# KiCad board weisse_cpu.kicad_pcb (continued)
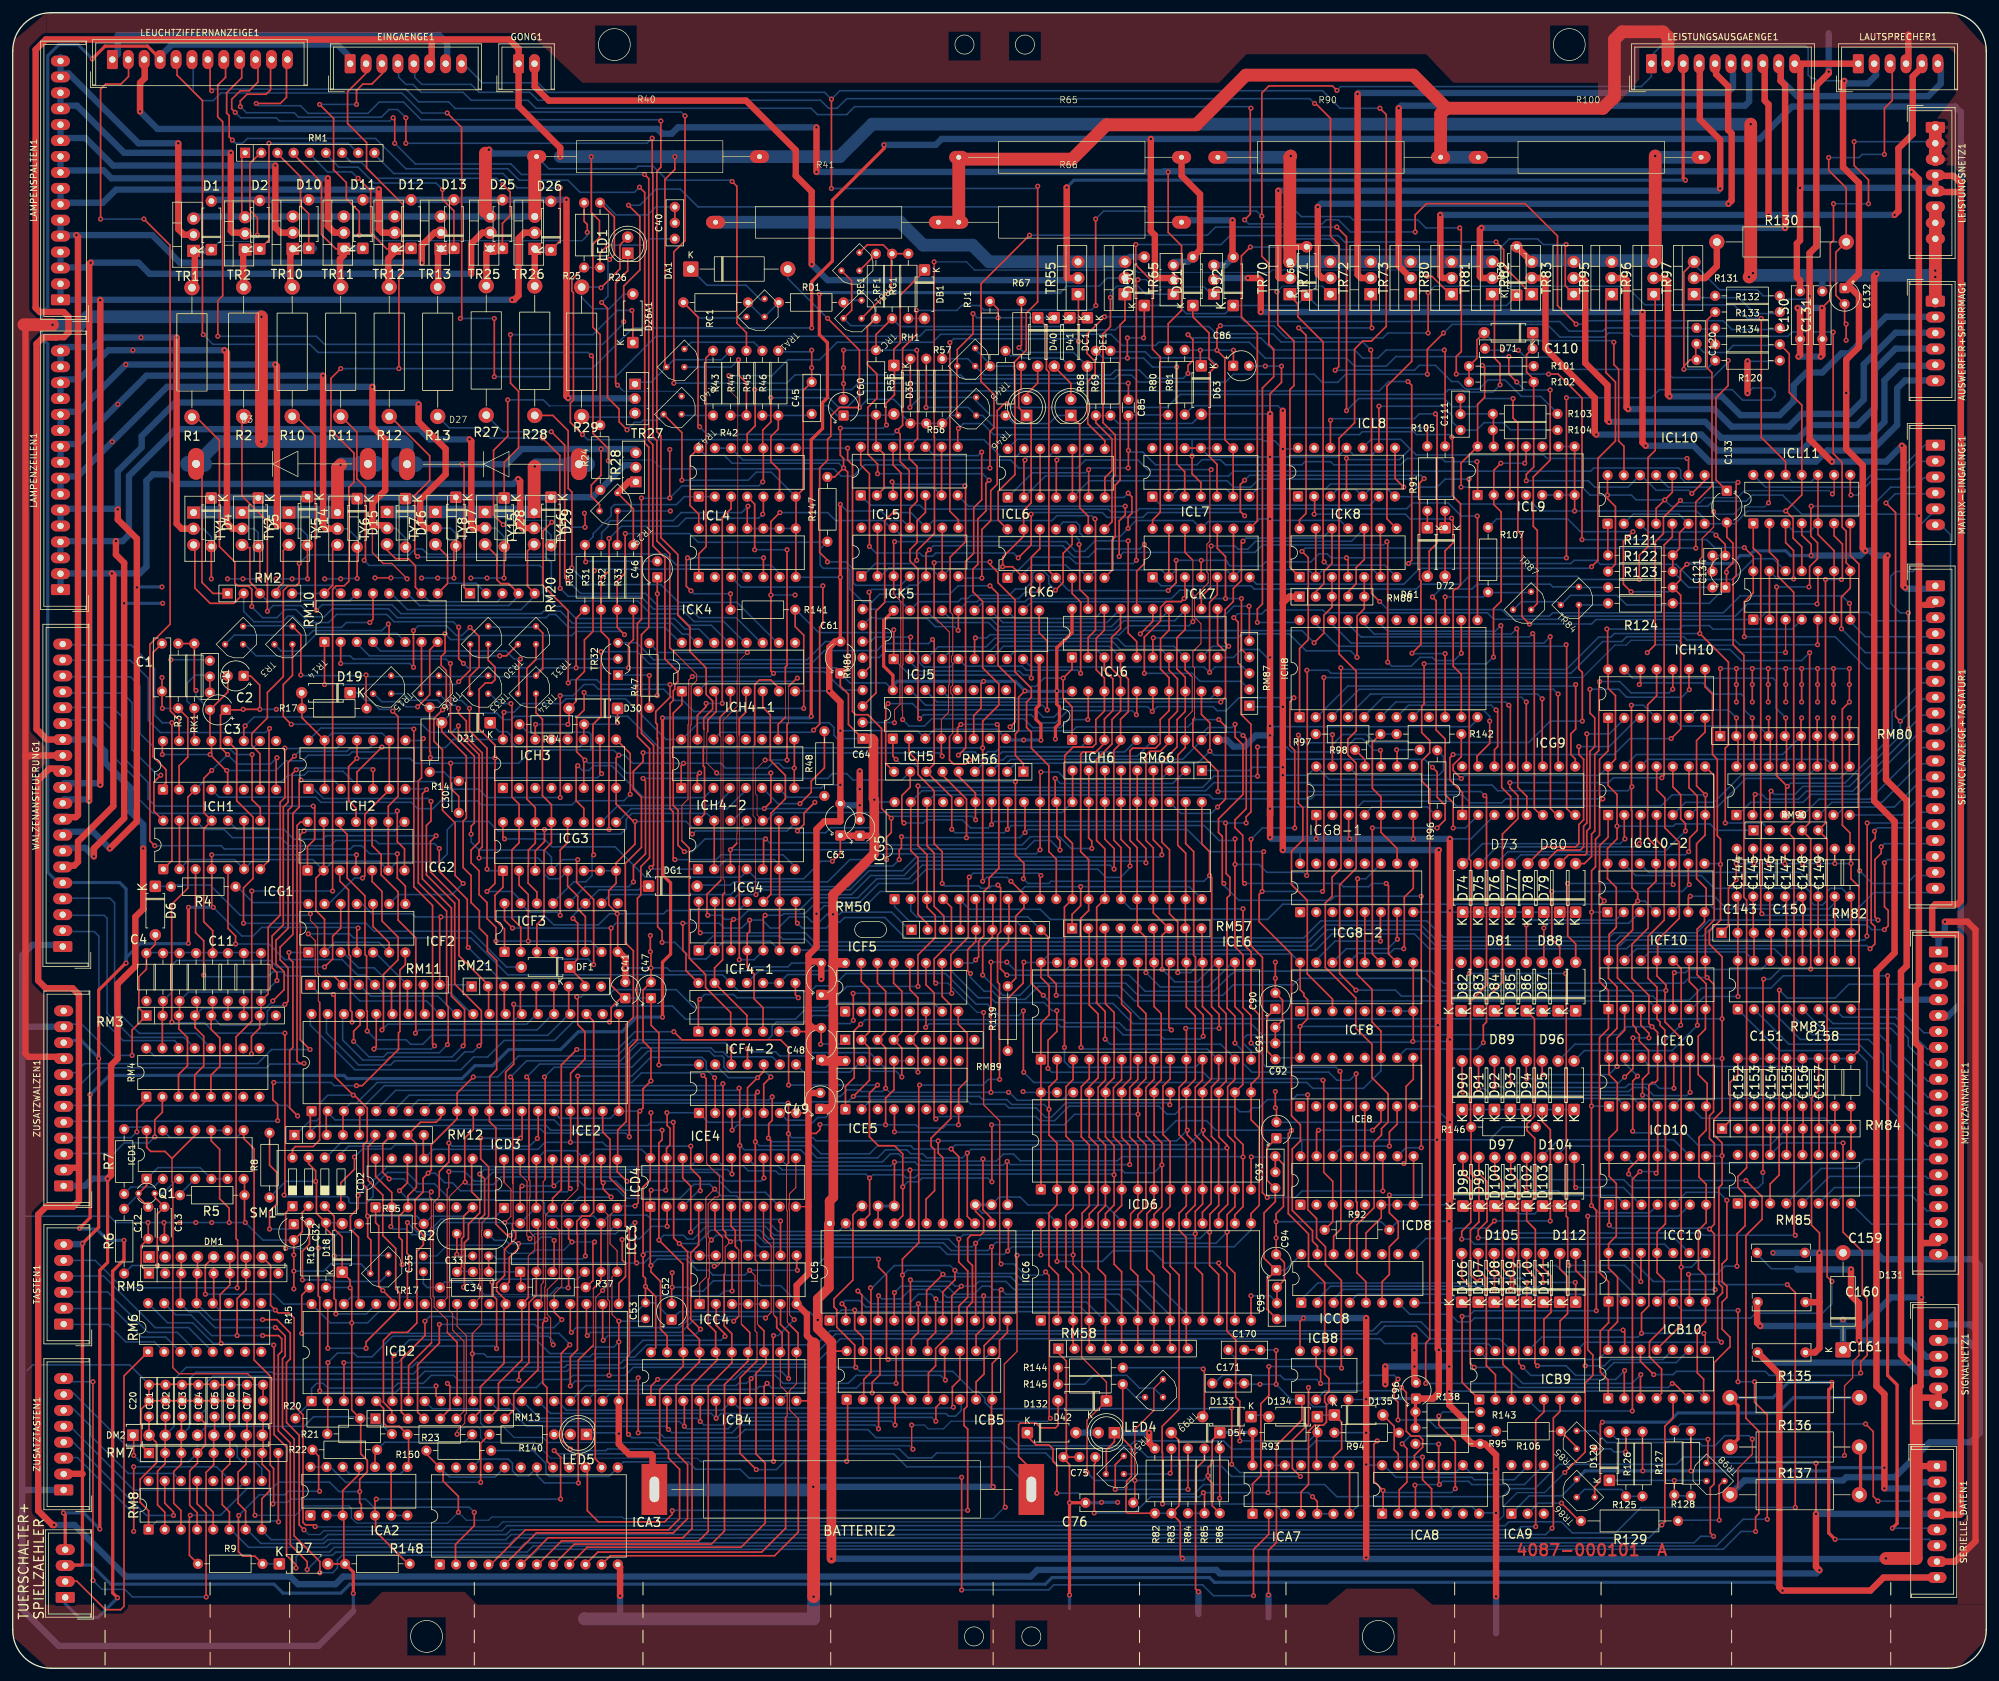
[diagram p0: board, top side]
## Routing (per net, layer and track width the routed paths; a pad name or vN(x,y) marks a point on that pad's centre or on a via; arc(x,y) is an arc through that point) (continued)
  Bottom w0.25: 169.1,70.25 167.55,68.7 157.41,68.7 157.31,68.6 132,68.6 130.85,69.75 129.7,68.6 120.2,68.6 118.8,70 108,70 v1(106.5,68.5)
BUS_A9: length 120.8
  Top w0.25: 171.64,116.04 171.64,104.36 173,103 173,92.75 171.64,91.39 171.64,83.46 173,82.1 v1(173,77.5) 173,72.75 171.64,71.39 171.64,69.74 ; 133.28,69.94 134.6,71.26 v1(134.6,77)
  Bottom w0.25: ICD4.16 111.54,78.89 114.76,78.89 115.52,78.13 119.82,78.13 120.35,77.6 134,77.6 v1(134.6,77) 135.1,77.5 139.85,77.5 140.3,77.05 141.7,77.05 142.27,77.62 172.88,77.62 v1(173,77.5)
BUS_A10: length 122.8
  Top w0.25: 179.26,70.25 179.26,71.26 180.5,72.5 180.5,82.5 179.28,83.72 ICD6.21 179.28,91.28 180.4,92.41 180.4,98.4 180.4,98.4 180.4,102.8 179.28,103.92 ICE6.21 ; ICC5.19 141.01,78.17 v1(140.92,78.25) ; 179.26,110.74 179.26,116.04
  Bottom w0.25: ICD4.14 116.62,78.89 120.22,78.89 120.86,78.25 v1(140.92,78.25) 174.25,78.25 174.7,77.8 179.25,77.8 v1(180.5,79.05)
BUS_A11: length 108.9
  Top w0.25: v1(175.45,79.1) 175.45,82.1 174.18,83.37 174.18,91.18 175.6,92.59 175.6,102.91 174.18,104.32 174.18,116.04 ; v1(138.5,79.5) 138.5,72.67 ; v1(156.2,79.6) 156.2,72.6
  Bottom w0.25: v1(175.45,79.1) 156.7,79.1 v1(156.2,79.6) 155.62,79.01 142.19,79.01 141.71,79.5 v1(138.5,79.5) 137.89,78.89 121.7,78.89 ICD4.12
BUS_A12: length 122.1
  Top w0.25: ICF5.15 133.29,107.86 134.57,106.57 134.57,99.97 RM89.2 134.57,97.43 134.57,92.35 v1(132.03,89.81) ; 164.25,55 164.25,61.75 162.77,63.23 162.77,71.52 164.02,72.77 164.02,82.48 162.77,83.73 v1(162.77,87.78) 162.77,91.27 164.02,92.52 164.02,95.5 ; 113,87.08 v1(113,84.5)
  Bottom w0.25: v1(162.77,87.78) 162.01,88.54 156.93,88.54 156.16,89.3 152.35,89.3 151.85,89.81 v1(132.03,89.81) 131.27,89.05 129.49,89.05 128.99,88.54 128.99,87.78 127.72,86.51 126.45,86.51 125.24,85.3 113.8,85.3 v1(113,84.5)
BUS_A13: length 106.5
  Top w0.25: ICF5.14 135.83,107.6 137.11,106.32 137.11,99.97 RM89.3 137.11,97.43 v1(137.11,91.08) ; v1(153.65,90.45) v1(153.65,110.9)
  Bottom w0.25: v1(153.65,110.9) v1(156.15,110.9) 157.45,109.6 165.34,109.6 ICE6.26 ; ICE4.6 121.62,86.07 124.74,86.07 125.18,86.51 125.18,88.54 125.61,88.97 128.15,88.97 128.99,89.81 130,89.81 131.02,90.83 133.05,90.83 133.3,90.57 136.61,90.57 v1(137.11,91.08) 137.74,90.45 v1(156.42,90.45) 156.55,90.45 157.8,89.2 164.82,89.2 166.06,90.44
BUS_A14: length 38.4
  Top w0.25: v1(139.65,92.86) 139.65,97.43 RM89.4 139.65,99.97 139.65,106.32 138.37,107.6 ICF5.13
  Bottom w0.25: ICE4.8 124.24,93.62 131.56,93.62 ICE5.15 134.99,93.75 138.76,93.75 v1(139.65,92.86)
BUS_A15: length 50
  Top w0.25: ICE4.11 115.42,97.28 v1(115.4,97.3) ; v1(142.19,93.62) 142.19,97.43 RM89.5 142.19,99.97 142.19,105.3 140.91,106.59 ICF5.12
  Bottom w0.25: v1(142.19,93.62) 141.56,94.25 137.02,94.25 ICE5.14 134.6,96.68 125.44,96.68 124.92,96.16 120.48,96.16 119.84,96.79 115.91,96.79 v1(115.4,97.3)
BUS_ALE: length 220.7
  Top w0.15: 91.5,50.04 91.59,50.12 91.59,58.25 v1(92.66,59.33) ; v1(110.19,63.14) 110.64,63.14 111.52,64.02 111.52,67.66 111.46,67.71 ; v1(81.23,67.46) 80.75,67.94 80.75,68.75 80.79,68.79 80.79,76.46 79.71,77.54
  Top w0.25: 92.5,31.9 91.5,32.9 91.5,50.04 ; v1(61.17,63.39) 61.17,67.2 60.66,67.71 60.66,70.98 ICD2.3 62.08,74.21 63.41,75.54 63.41,82.38 RM12.8 64.03,85.75 66.5,85.75 67.26,86.51 ICE2.9 ; v1(136,64.25) 136,63 137.25,61.75 137.25,48.75 v1(137.5,48.5) ; v1(98,63.65) 97.74,63.9 v1(97.74,70) ; ICD4.5 110.31,68.86 111.46,67.71 ; ICD3.15 79.71,77.54
  Bottom w0.25: 93.68,63.65 v1(98,63.65) 99.14,63.65 100.28,64.79 106,64.79 107.14,63.65 109.68,63.65 v1(110.19,63.14) 110.7,63.65 126.7,63.65 127.59,64.54 135.71,64.54 v1(136,64.25) ; 93.68,63.65 93.68,60.35 v1(92.66,59.33) ; 93.68,63.65 61.42,63.65 v1(61.17,63.39) ; v1(81.23,67.46) 82,68.22 94.7,68.22 95.2,68.73 96.22,68.73 97.49,70 v1(97.74,70) ; ICB5.11 152.44,48.4 137.6,48.4 v1(137.5,48.5)
BUS_CLK: length 255.4
  Top w0.25: v1(108,75) 108,77.01 106.5,78.51 v1(106.5,82) ; v1(195.53,140.1) v1(195.53,144.67) ; ICG8-1.10 214.92,144.08 v1(214.84,144.17) ; v1(142.19,107.08) 142.19,112.03 144.92,114.76 144.92,118.2 143.6,119.52 ICG5.3 143.6,127.77 142.19,129.18 v1(142.19,138.58) ; v1(87.6,82.6) 87.63,82.63 87.63,87.45 ; 64.5,83.68 64.5,80.14 ; v1(88.6,105.43) 88.76,105.43 88.75,105.42 88.75,101.09 89.87,99.97 89.87,95.67 87.63,93.43 87.63,87.55
  Bottom w0.25: v1(195.53,140.1) 188.68,140.1 186.9,138.32 142.45,138.32 v1(142.19,138.58) ; v1(195.53,144.67) 200.11,144.67 200.87,143.91 208.75,143.91 210.84,146 212,146 213.83,144.17 v1(214.84,144.17) ; v1(142.19,107.08) 131.02,107.08 127.72,103.78 107.01,103.78 104.22,106.57 94.44,106.57 93.68,105.81 89.62,105.81 89.24,105.43 v1(88.6,105.43) ; v1(108,75) 107.73,75 ICD4.3 ; v1(106.5,82) 93.25,82 92.65,82.6 v1(87.6,82.6) 83.6,82.6 82.5,81.5 66.1,81.5 ICD2.11
BUS_EN: length 157
  Top w0.15: v1(115.75,62.5) 116.6,61.65 116.6,53.02 116.9,52.71 116.9,48.26
  Top w0.25: v1(116.8,31.2) 114.25,33.75 114.25,45.61 116.9,48.26 ; ICB4.19 102.79,52.21 101.75,53.25 101.75,60.75 100.25,62.25 v1(100.25,63.25) 100.15,63.35 ICD4.1 100.15,74.94 v1(100.28,75.08) ; v1(131,32.5) 131.14,32.64 131.14,42.06 ; v1(123.25,62.5) 123.14,62.61 ICC4.8 ; ICE4.4 115.42,91.17 v1(117,92.75) 117.96,93.71 ICE4.10 ; v1(102.75,87.25) 102.79,87.21 102.79,85.25 103.25,84.79 103.25,82.21 102.69,81.65 ICD4.19 102.69,75.2 v1(102.57,75.08)
  Bottom w0.25: v1(100.25,63.25) 101.25,64.25 105.75,64.25 107.5,62.5 109.25,62.5 110,61.75 115,61.75 v1(115.75,62.5) v1(123.25,62.5) ; v1(116.8,31.2) 119.95,31.2 121.25,32.5 v1(131,32.5) ; v1(102.57,75.08) v1(100.28,75.08) ; ICE4.1 109.25,85.75 113.97,85.75 ICE4.4 ; ICE4.13 112.41,92.75 v1(117,92.75) ; 107.75,87.25 v1(102.75,87.25)
BUS_nRD: length 66.1
  Top w0.15: ICC4.1 107.9,60.4 108.98,61.48 108.98,67.53 108.88,67.62 108.88,73.88 v1(110.25,75.25)
  Top w0.25: ICD3.13 84.79,75.96 v1(85,75.75) ; v1(80,75.75) 79.71,75.46 ICD3.2
  Bottom w0.25: v1(80,75.75) v1(85,75.75) 85.75,76.5 89,76.5 90.25,75.25 94.91,75.25 96.35,73.81 104.81,73.81 107,76 109.5,76 v1(110.25,75.25) 111.31,74.19 113.7,74.19 ICD4.7
BUS_nWR: length 44.6
  Top w0.25: v1(94,74) 92.75,75.25 v1(92.75,76.25) 92.41,76.59 ICD3.10
  Bottom w0.25: ICD3.5 89.05,74 v1(94,74) ; v1(92.75,76.25) 93,76.5 94.75,76.5 96.17,75.08 98.58,75.08 100,76.5 111,76.5 112.75,74.75 118.22,74.75 ICD4.9
CLK: length 73.8
  Top w0.25: v1(54.25,74.25) 54.25,72.22 53.04,71.01 53.04,68.98 54.31,67.71 54.31,57.45
  Bottom w0.25: v1(54.25,74.25) 58.8,78.8 75.7,78.8 75.72,78.78 106.43,78.78 ICD4.17
CPU_RESET: length 52.5
  Top w0.25: SM1.7 46.49,79.22 47.58,78.13 v1(47.58,76.48) 47.71,76.35 47.71,71.45 R16.2 49.2,69.05 50.5,67.75 v1(50.5,64.75) 50.5,58.06 50.75,57.81 v1(50.75,55.65)
  Bottom w0.25: v1(50.5,64.75) 50.58,64.83 TR17.1 ; R8.1 42.88,76.48 v1(47.58,76.48) ; v1(50.75,55.65) 55.55,55.65 ICB2.36 ; R16.2 51.61,69.96
D0: length 417.1
  Top w0.25: 46.75,83.79 46.75,87.31 ; v1(148.6,67.4) 148.6,63.8 150,62.4 150,58.25 148.63,56.88 ICC5.9 ; 186.88,55.01 186.88,61.87 185.75,63 v1(185.75,68.25) 185.75,71.75 186.9,72.9 ICD6.11 ; 75.1,16.3 80.55,21.75 103,21.75 104.75,23.5 104.75,31.25 103,33 103,34.1 101.62,35.48 101.62,43.78 105.33,47.49 ICB4.18 ; v1(165.2,97.5) 165.2,119.54 ICG5.12 166.46,129.54 165.25,130.75 165.25,143.35 166.58,144.67 169.63,144.67 170.13,145.18 170.13,148.99 171.48,150.34 ICH6.18 171.48,155.52 170.2,156.8 170.2,161.76 171.47,163.03 ICJ6.18 ; 186.88,95.5 186.88,92.37 186.87,92.37 185.75,91.25 185.75,83.75 186.88,82.62 186.88,75 ; v1(102,84.5) 102,83 101.5,82.5 v1(101.5,67.25) 105.25,63.5 105.25,49.94
  Bottom w0.25: v1(185.75,68.25) 185.6,68.1 149.3,68.1 v1(148.6,67.4) 148,68 119.6,68 118.2,69.4 108.9,69.4 106.9,67.4 105.95,67.4 105.35,68 102.25,68 v1(101.5,67.25) ; ICJ5.13 157.41,164.87 169.97,164.87 ICJ6.18 ; 186.88,95.5 185.75,94.38 166.09,94.38 165.2,95.27 v1(165.2,97.5) ; v1(102,84.5) 84.51,84.5 83.77,85.24 47.71,85.24 46.79,84.32
D1: length 401.9
  Top w0.25: 151.25,54.89 v1(151.25,66.75) ; 49.25,83.83 49.25,87.27 ; 189.42,75 189.42,82.39 188.3,83.52 188.3,91.29 189.42,92.42 189.42,95.5 ; 189.42,55.01 189.42,61.83 188,63.25 v1(188,68.5) 188.04,68.54 188.04,71.29 189.44,72.69 ICD6.12 ; v1(167.8,97.5) 167.8,117.8 169,119 ICG5.13 169,127 167.75,128.25 167.75,143.56 168.1,143.91 170.13,143.91 171.48,145.26 ; v1(103.75,85.75) 103.81,85.69 103.81,67.58 v1(104.7,66.7) 106,65.4 106,53.5 107.87,51.63 ICB4.17 107.87,48.12 104.21,44.45 104.21,33.8 106,32 106,23.5 103.75,21.25 82.25,21.25 77.3,16.3 ; ICH6.3 171.48,149.08 172.8,150.4 172.8,155.4 171.47,156.73 ICJ6.3
  Bottom w0.25: 189.42,95.5 187.67,97.25 168.05,97.25 v1(167.8,97.5) ; v1(104.7,66.7) 107.55,66.7 109.65,68.8 117.4,68.8 118.8,67.4 147,67.4 148.2,66.2 150.7,66.2 152,67.5 186.5,67.5 187.5,68.5 v1(188,68.5) ; ICJ6.3 170.35,159.88 157.54,159.88 ICJ5.8 ; v1(103.75,85.75) 100.25,85.75 99.75,85.25 85.92,85.25 85.04,86.13 50.63,86.13 49.48,87.27
D2: length 420.8
  Top w0.15: 109.25,61.11 109.43,61.29 109.43,64.31 109.37,64.37 109.37,66.87 v1(109.75,67.25) 109.23,67.77 109.23,72.95 110.29,74 110.75,74 111,74.25 111,77.25 109,79.25 109,82.75 108.92,82.82
  Top w0.25: RM12.4 51.87,87.35 ; v1(171.6,98.8) 171.6,103.15 170.2,104.55 170.26,104.62 170.26,119.53 ICG5.14 171.54,128.71 170.25,130 170.25,142.76 172.67,145.18 172.67,148.99 174.02,150.34 ICH6.17 174.02,155.58 172.6,157 172.6,161.87 174.01,163.28 ICJ6.17 ; v1(108.41,93.11) 108.93,92.6 108.93,82.83 108.92,82.82 ; ICB4.16 110.41,52.84 109.25,54 109.25,61.11 ; 191.96,75 191.96,82.54 190.83,83.67 190.83,91.34 191.96,92.46 191.96,95.5 ; 153.8,54.9 153.8,66.15 v1(153.75,66.2) ; 79.9,16.3 84.1,20.5 105.25,20.5 106.71,21.95 106.71,44.45 110.66,48.41 110.66,49.37 ; ICD6.13 191.98,72.48 190.75,71.25 v1(190.75,68.5) 190.75,63.25 191.96,62.04 191.96,55.01
  Bottom w0.25: 191.96,95.79 189.75,98 172.4,98 v1(171.6,98.8) ; v1(108.41,93.11) 108.02,93.5 98.75,93.5 97.25,92 57.25,92 54,88.75 53.07,88.75 51.82,87.5 ; v1(109.75,67.25) 110.5,68 117,68 118.2,66.8 146.2,66.8 147.4,65.6 153.15,65.6 v1(153.75,66.2) 154.45,66.9 184.35,66.9 184.5,66.75 189,66.75 v1(190.75,68.5) ; ICJ5.14 155.51,164.23 171.87,164.23 ICJ6.17
D3: length 386.9
  Top w0.15: 111.75,61.87 111.91,62.02 111.91,66.15 v1(112.75,67)
  Top w0.25: ICJ6.4 174.01,156.59 175.25,155.35 175.25,150.25 174.02,149.02 ICH6.4 ; v1(111.55,91.8) 111.55,68.89 111.97,68.47 111.97,67.78 v1(112.75,67) ; 54.5,83.84 54.5,87.44 ; v1(193.25,119.27) 193.25,119.27 193.25,113.75 194.52,112.48 ICE6.15 194.52,103.91 195.79,102.64 195.79,92.99 194.52,91.72 ICD6.15 194.52,86.13 195.8,84.85 195.8,72.7 194.5,71.4 194.5,70.25 ; 174.02,145.22 172.95,144.16 172.95,130.04 174.08,128.92 ICG5.15 ; 111.75,61.87 111.75,53.75 112.95,52.55 ICB4.15 112.95,47.95 109.25,44.25 109.25,21.5 107.75,20 86.2,20 82.5,16.3 ; 156.4,69.68 156.4,65.65 v1(156.27,65.52)
  Bottom w0.25: v1(111.55,91.8) 111.25,91.5 58.36,91.5 54.36,87.5 ; ICJ5.7 155.62,160.5 172.26,160.5 ICJ6.4 ; ICG5.15 175.61,119.27 v1(193.25,119.27) ; v1(112.75,67) 112.95,67.2 116.4,67.2 117.4,66.2 145.6,66.2 146.8,65 155.75,65 v1(156.27,65.52) 156.95,66.2 191.86,66.2 194.5,68.84 194.5,69.74
D4: length 412.6
  Top w0.15: 114.5,54 114.44,54.06 114.44,66.94 114.5,67
  Top w0.25: 114.5,54 115.78,52.72 115.78,49.91 ; v1(178,109.25) 178,114.76 RM57.5 ; 85.01,16.3 88.22,19.5 109.75,19.5 111.8,21.55 111.8,44.55 115.49,48.24 ICB4.14 ; ICJ6.14 181.63,163.03 180.3,161.7 180.3,156.9 181.64,155.56 ICH6.14 181.64,150.39 180.25,149 180.25,145.25 179.5,144.5 175.9,144.5 175.5,144.09 175.5,132.75 175.5,132.75 175.5,130 176.62,128.88 ICG5.16 176.62,116.26 ; ICE6.16 191.98,103.91 193.2,102.69 193.2,91.66 ICD6.16 191.98,83.52 193.25,82.25 193.25,72.5 191.96,71.21 191.96,70.25 ; v1(114.1,91.1) 114.2,91 v1(114.2,82.1) 114.2,67.3 114.5,67 ; 153.6,69.94 153.6,70.8 152.4,72 v1(152.4,80)
  Bottom w0.25: v1(193.25,80.3) 193.2,80.35 174.2,80.35 173.55,79.7 158.25,79.7 157.2,80.75 155.6,80.75 155.6,80.74 154.51,79.65 152.75,79.65 v1(152.4,80) 152.05,79.65 142.83,79.65 142.32,80.16 139.78,80.16 139.15,80.79 137.88,80.79 136.61,79.52 125.68,79.52 123.78,81.43 114.89,81.43 114.22,82.1 v1(114.2,82.1) ; ICJ5.17 147.25,164.87 153.63,164.87 154.9,163.6 172.6,163.6 174,165 180.5,165 181.63,166.13 ; 56.9,87.5 60.15,90.75 113.75,90.75 v1(114.1,91.1) ; v1(178,109.25) 180.25,107 187.75,107 191.49,110.74
D5: length 393.3
  Top w0.15: 117.25,53.75 116.98,54.02 116.98,63.77 116.65,64.1
  Top w0.25: RM57.7 180.55,115.11 v1(180.55,109.75) ; 118,50.23 118,53 117.25,53.75 ; 87.52,16.3 90.22,19 114.4,19 118.2,22.8 118.2,32.2 116.75,33.65 116.75,46.33 118.32,47.9 118.32,49.33 ; v1(149.94,80.92) 149.94,70.98 150.92,70 ; 189.44,91.04 190.6,92.2 190.6,102.8 189.44,103.96 ICE6.17 ; 181.6,116.2 179.16,118.64 ICG5.17 179.16,128.84 178,130 178,143.4 178.6,144 180.25,144 181.64,145.39 ; v1(117,90.5) 116.65,90.15 v1(116.65,82.7) 116.65,64.1 ; ICJ6.7 181.63,156.72 182.95,155.4 182.95,150.3 181.64,148.99 ICH6.7 ; 189.42,70.25 189.42,71.42 190.86,72.86 190.86,81.6 v1(190.73,81.73) 190.73,82.18 189.44,83.46 ICD6.17
  Bottom w0.25: ICJ6.7 180.38,160 174,160 172.75,161.25 155,161.25 153.54,159.79 147.29,159.79 ICJ5.4 ; v1(180.55,109.75) 180.6,109.75 182.55,107.8 186.05,107.8 188.99,110.74 ; v1(116.65,82.7) 117.29,82.06 124.41,82.06 126.32,80.16 135.84,80.16 137.11,81.43 140.42,81.43 141.05,80.79 142.96,80.79 143.59,80.16 149.18,80.16 v1(149.94,80.92) 150.52,81.5 190.5,81.5 v1(190.73,81.73) ; v1(117,90.5) 116.5,90 62.25,90 59.75,87.5
D6: length 401.2
  Top w0.15: ICB4.12 120.57,44.38 121.64,43.3 121.64,39.64 121.4,39.4 ; 119.33,67.58 119.52,67.39 119.52,55.48 119.75,55.25
  Top w0.25: 121.4,39.4 121.4,22 117.65,18.25 91.91,18.25 ICA3.10 ; 119.75,55.25 120,55 120,53.5 120.86,52.64 120.86,49.91 ; v1(119.3,89.75) 119.3,86.05 118.75,85.5 118.75,83.3 v1(118.7,83.25) 119.06,82.89 119.06,67.86 119.33,67.58 ; ICD6.18 186.9,91.15 188.31,92.56 188.31,102.49 186.88,103.92 186.88,110.74 ; v1(183,109.25) 183,117.2 181.7,118.5 ICG5.18 181.7,128.55 180.5,129.75 180.5,142.3 182.9,144.7 182.9,149 184.18,150.28 ICH6.13 184.18,155.62 182.85,156.95 182.85,161.84 184.17,163.16 ICJ6.13 ; 186.8,116.12 186.8,110.94 ; 186.88,90.24 186.88,84.62 v1(187,84.5) 187,83.75 188.25,82.5 188.25,73 186.88,71.63 186.88,69.74 ; ICC5.16 148.63,80.33 v1(147.4,81.56)
  Bottom w0.25: ICJ5.18 145.35,164.23 153.27,164.23 154.5,163 173,163 174.5,164.5 182.5,164.5 184.17,166.17 ; v1(183,109.25) 185,109.25 186.49,110.74 ; v1(118.7,83.25) 118.7,83.2 119.21,82.7 125.05,82.7 126.95,80.79 134.57,80.79 135.84,82.06 141.05,82.06 141.56,81.56 v1(147.4,81.56) 148.04,82.19 184.69,82.19 v1(187,84.5) ; v1(119.3,89.75) 118.8,89.25 63.73,89.25 61.98,87.5
D7: length 373.3
  Top w0.15: 123.4,39.2 122.04,40.56 122.04,43.62 123.11,44.69 ICB4.11 ; 121.87,79.4 121.55,79.07 121.55,71.95 121.68,71.82 121.68,54.32 122,54 ; 185.12,155.85 185.28,155.69 185.28,150.29 184.18,149.19 184.18,149.17
  Top w0.2: 184.18,149.17 ICH6.8
  Top w0.25: ICA3.11 93.87,17.67 119.67,17.67 123.4,21.4 123.4,39.2 ; ICG5.19 184.24,128.01 183,129.25 183,143.4 184.18,144.58 ICH6.8 ; v1(145.37,82.82) 145.37,80.92 146.09,80.2 ICC5.17 ; 184.34,116.04 184.34,103.86 185.75,102.45 185.75,92.5 184.34,91.09 184.34,84.66 v1(184.5,84.5) 184.5,83.75 185.75,82.5 185.75,72.75 184.34,71.34 184.34,69.74 ; ICJ6.8 184.17,156.8 185.12,155.85 ; v1(121.8,88.75) 121.85,88.7 v1(121.85,83.95) 121.85,79.42 121.87,79.4 ; 184.2,116.22 184.2,120.76 ; 122,54 123.36,52.64 123.36,49.87
  Bottom w0.25: v1(121.8,88.75) 65.77,88.75 64.52,87.5 ; ICJ5.3 145.38,160.42 152.92,160.42 154.25,161.75 173.5,161.75 174.75,160.5 182.42,160.5 ICJ6.8 ; v1(184.5,84.5) 182.82,82.82 v1(145.37,82.82) 126.19,82.82 125.68,83.33 122.38,83.33 121.85,83.87 v1(121.85,83.95)
DG: length 116.2
  Top w1: TR81.2 230.71,218.34 230.46,218.59 230.46,225.95 v1(230.71,226.21) ; v1(278.4,226.2) 278.4,248.6 277.7,249.3 277.72,249.32 277.72,252
  Bottom w1: 302.85,252 302.85,248.85 300.9,246.9 280.3,246.9 277.72,249.48 277.72,252 ; v1(230.71,226.21) 278.39,226.21 v1(278.4,226.2)
DGin: length 74
  Top w0.25: ICJ6.16 176.55,172.3 177.75,173.5 v1(177.75,176.5) ; ICK5.5 143.46,175.15 v1(143.97,175.66) ; v1(134.5,169) 134.62,168.88 134.62,157.28 RM86.5
  Bottom w0.25: ICK5.5 142.05,170.09 140.81,170.09 140.16,169.44 134.94,169.44 v1(134.5,169) ; v1(177.75,176.5) 177.04,175.79 170.26,175.79 168.99,174.52 166.7,174.52 164.93,176.3 144.61,176.3 v1(143.97,175.66)
DM: length 88.8
  Top w1: v1(217.7,245) 217.7,220.23 TR73.2
  Bottom w1: v1(217.7,245) 218.1,245.4 272.1,245.4 272.75,246.05 272.75,251.89
DMin: length 47.8
  Top w0.15: 188.13,169.87 188.13,176.03 188.08,176.08
  Top w0.25: ICK8.10 212.3,174.14 211.03,172.87 211.03,170.33 209.76,169.06 RM88.4 ; ICJ6.12 186.71,168.31 188.15,169.75 ; 188.08,176.08 v1(188.25,176.25)
  Bottom w0.25: v1(188.25,176.25) 192,176.25 192.5,175.75 194,175.75 195.25,177 210.3,177 ICK8.10
DS: length 100.6
  Top w1: v1(269.5,230) 270,230.5 270,241.05 269.45,241.6 269.45,248.45 267.56,250.34 267.56,252 ; TR71.2 205.69,218.33 205,219.03 v1(205,229.5)
  Bottom w1: v1(269.5,230) 205.5,230 v1(205,229.5)
DSin: length 44.5
  Top w0.25: v1(177.12,162.45) 179.09,164.43 ICJ6.15 ; ICK8.3 RM88.3 207.22,166.65 205.95,165.38 205.95,162.58 v1(204.42,161.06)
  Bottom w0.25: v1(204.42,161.06) 202.52,162.96 177.63,162.96 v1(177.12,162.45)
GONG: length 242.3
  Top w0.5: v1(262.75,233.7) 262.4,234.05 262.4,251.92
  Top w1: v1(125.5,220.5) 125.5,231.9 123,234.4 123,238.4 115.2,246.2 84.2,246.2 82,248.4 82,252 ; v1(165.55,232.55) 165.56,232.54 165.56,218.33 TR55.2
  Bottom w0.5: v1(262.75,233.7) 166.7,233.7 v1(165.55,232.55)
  Bottom w1: v1(125.5,220.5) 128,218 167.01,218
GONGin: length 88.4
  Top w0.25: v1(138.5,181.5) 138.25,181.5 136.96,180.21 136.96,167.38 135.6,166.02 135.6,153.18 RM86.3 ; v1(170,180.5) 170.07,180.43 170.07,163.03 168.93,161.88 ICJ6.2
  Bottom w0.25: v1(138.5,181.5) 141.08,181.5 ICK5.10 144.58,180.25 163.25,180.25 164,181 169.5,181 v1(170,180.5)
HOLD: length 61
  Top w0.25: v1(55.5,50.25) 55.5,51.25 60.76,56.51 60.76,58.97 60.15,59.58 60.15,65.93 58.12,67.96 58.12,73.55 58.12,73.55 58.12,74.32 55.83,76.6 55.83,81.94 56.95,83.05 RM12.6 ; ICB2.39 49.48,50.27 v1(49.5,50.25)
  Bottom w0.25: 57.38,84 55.88,82.5 51.5,82.5 49.12,80.12 ; v1(49.5,50.25) v1(55.5,50.25)
ICK6C9: length 55.2
  Top w0.25: ICK6.9 168.95,180.91 167.59,182.27 167.59,195.36 LED3.1 ; v1(140.92,198.01) 141,198.09 RH1.2
  Bottom w0.25: LED3.1 164.04,196.75 162.77,195.47 157.22,195.47 R70.2 153.63,196.74 151.34,199.03 TR46.1 142.5,199.59 v1(140.92,198.01)
ICL7B_5: length 49.9
  Top w0.25: D51.1 185.37,212.24 187.91,209.7 187.91,205.59 v1(189,204.5) 188,203.5 188,190.25 189.17,189.08 ICL7.5
  Bottom w0.25: v1(189,204.5) 189,204.75 187.95,205.8 178.85,205.8 177.9,206.75 172.57,206.75
inD6in: length 47.3
  Top w0.25: ICK6.10 166.41,176.51 165,175.09 165,170.52 v1(163.78,169.31)
  Bottom w0.25: v1(163.78,169.31) 162.75,170.35 162.75,171.49 161.86,172.38 160.62,172.38 160.2,171.96 160.2,170.71 159,169.5 157.5,169.5 156.5,168.5 150.5,168.5 150,168 149,168 148.5,167.5 142.3,167.5 ICJ5.19 139.54,167.5 137.08,167.5 135.9,166.32 RM86.9
INTA: length 100.2
  Top w0.15: 74.75,71 73.72,69.97 73.72,68.77 73.62,68.67 73.62,67.83 73.72,67.73 73.72,62.7 73.71,62.7 73.71,61.81 73.72,61.8 73.72,58.08 73.66,58.03 73.66,54.05 72.2,52.58
  Top w0.25: v1(111.88,52.12) 111.88,52.5 110.5,53.88 110.5,57.14 ; 80.01,87.45 80.01,83.51 v1(79.75,83.25) ; 74.75,71 74.75,78.75 73.5,80 v1(73.5,83.25) ; 72.2,42.1 v1(72.2,49.4) 72.2,52.58
  Bottom w0.25: v1(72.2,49.4) 74,49.4 74.48,48.92 90.66,48.92 91.14,49.4 96.9,49.4 99,51.5 111.25,51.5 v1(111.88,52.12) ; v1(73.5,83.25) v1(79.75,83.25)
INTR: length 62
  Top w0.15: 68.25,52.76 68.25,54.69 66.18,56.75 66.18,58.3 66.02,58.46 66.02,68.54 66.09,68.6 66.09,73.14 67,74.05 67,74.18
  Top w0.25: v1(68.5,82.5) 68.5,79.5 67,78 67,74.18 ; 69.8,41.96 69.8,51.2 68.25,52.76 ; 82.55,87.45 82.55,83.35 v1(82.4,83.2)
  Bottom w0.25: v1(82.4,83.2) 81.2,82 69,82 v1(68.5,82.5)
IO: length 30.2
  Top w0.25: 62,57.38 62,62.32 62.25,62.57 62.25,64.85 61.93,65.17 61.93,69.93 v1(62,70)
  Bottom w0.25: v1(62,70) 63.46,68.54 65.3,68.54 67.3,70.55 75.44,70.55 ICD3.1
IO70: length 38.9
  Top w0.25: ICJ5.11 161.24,162.59 162.5,161.32 v1(162.5,150.5)
  Bottom w0.25: v1(162.5,150.5) 161.75,151.25 143.39,151.25 141.02,153.62
IO71: length 62.6
  Top w0.25: v1(189.75,151.75) 190.5,152.5 190.5,159.61 189.25,160.86 ICJ6.11
  Bottom w0.25: ICH5.14 145.2,151.75 v1(189.75,151.75)
IO72: length 44.4
  Bottom w0.25: ICH6.11 188.12,152.28 147.21,152.28 ICH5.13
IO_RD: length 211
  Top w0.25: v1(87.58,75.33) 87.33,75.59 ICD3.12 ; RM13.2 59.54,40.47 58.23,41.78 58.23,51.48 59.5,52.75 62,52.75 63.47,54.22 63.47,65.47 64.5,66.5 64.5,68 63.2,69.3 63.2,71.52 63.21,71.53 63.21,73.56 64.47,74.82 64.47,76.97 v1(65.25,77.75) 65.75,78.25 65.75,82.25 69.8,86.3 ICE2.10 69.8,90.32 v1(72.34,92.86) ; v1(147.5,106) 147.35,106.15 147.35,112.05 150.1,114.79 150.1,124.09 v1(150.25,124.25) ; v1(161.5,124.5) 161.38,124.38 ICG5.10 ; v1(132,106) 132.03,105.97 v1(132.03,101.75)
  Bottom w0.25: v1(132,106) v1(147.5,106) ; v1(161.5,124.5) 161.14,124.86 150.86,124.86 v1(150.25,124.25) ; v1(72.34,92.86) 76.15,92.86 79.46,96.16 94.95,96.16 97.49,98.7 118.57,98.7 119.27,99.4 119.27,100.82 119.95,101.49 124.67,101.49 125.68,102.51 128.22,102.51 129.49,101.24 131.53,101.24 v1(132.03,101.75) ; v1(87.58,75.33) 87.08,74.82 78.44,74.82 78.26,75 70.32,75 69.07,76.25 67.87,76.25 66.37,77.75 v1(65.25,77.75)
IO_WR: length 295.3
  Top w0.15: RM13.6 70.88,40.38 70.88,51.32 69.1,53.1 69.1,55.7 68.59,56.21 68.59,74.09 70.85,76.35 ; ICH5.4 145.87,148.99 146.98,150.1 146.98,154.36 147.11,154.49 147.11,162.74 144.73,165.12
  Top w0.25: ICG5.11 163.92,127.08 162.75,128.25 162.75,141.75 160,144.5 160,147 159.25,147.75 159.25,151.75 160,152.5 160,153.92 157.43,156.49 157.43,167.82 154.77,170.48 154.77,172.11 153.5,173.38 v1(153.5,173.76) ; v1(96.47,76.48) 94.95,78 ICD3.9 ; v1(144.73,173.63) 144.73,165.12 ; 95.03,79.98 95.03,84.53 96.38,85.88 96.38,101.14 97.49,102.26 97.49,112.67 96.22,113.94 96.22,126.39 98.76,128.93 98.76,136.8 97.49,138.07 97.49,140.86 99.01,142.39 v1(99.01,143.78) ; v1(146,143.25) 145.87,143.38 ICH5.4 ; ICE2.11 72.34,84.59 71,83.25 71,76.42 v1(71.07,76.35) 70.85,76.35
  Bottom w0.25: v1(144.73,173.63) 144.86,173.76 v1(153.5,173.76) ; v1(99.01,143.78) 99.05,143.75 145.5,143.75 v1(146,143.25) ; v1(71.07,76.35) 71.46,75.97 75.52,75.97 76.72,77.17 95.78,77.17 v1(96.47,76.48)
L1W4: length 17.4
  Top w0.25: v1(19.5,84.25) 19.5,87.7 20.97,89.17
  Bottom w0.25: v1(19.5,84.25) 18.6,83.35 8.02,83.35
L1W5: length 22.2
  Top w0.25: 23.5,89.8 23.5,87.32 22.31,86.13 v1(22.31,83.46)
  Bottom w0.25: 8.02,80.85 15.85,80.85 17.5,82.5 21.35,82.5 v1(22.31,83.46)
LIA1: length 45.9
  Top w0.25: v1(255.22,92.99) 254.46,92.22 v1(254.46,84.35) ; RM84.5 278.66,80.69 ; 278.73,88.15 278.73,85.09
  Bottom w0.25: v1(255.22,92.99) 253.29,94.92 ICE10.13 ; RM84.5 276.1,82.19 264.69,82.19 262.78,84.09 254.72,84.09 v1(254.46,84.35)
LIA2: length 28.2
  Top w0.25: RM84.6 281.2,80.69 ; 281.23,88.19 281.23,85.13
  Bottom w0.25: 281.13,88.37 280.01,89.49 261.99,89.49 260.91,88.41
LIA3: length 40.6
  Top w0.25: RM84.7 283.74,80.69 ; 283.73,88.23 283.73,85.17
  Bottom w0.25: C156.1 282.15,89.81 282.15,94 281.64,94.51 257.19,94.51 ICE10.12
LIA4: length 31.4
  Top w0.25: RM84.8 286.28,80.69 ; 286.23,88.27 286.23,85.21
  Bottom w0.25: RM84.8 284.63,86.4 265.3,86.4 ICE10.6
LIG: length 43.5
  Top w0.25: C158.1 288.73,85.25 ; RM85.9 288.75,84.68
  Bottom w0.25: RM85.9 287.43,79.3 254.43,79.3 ICD10.13
LIM1: length 51.3
  Top w0.25: 288.8,121 288.8,115.58 ; RM83.9 288.75,115.47
  Bottom w0.25: ICG10-2.13 254.91,124.5 265.25,124.5 267.25,122.5 281.75,122.5 282.4,121.85 282.4,120.4 282.93,119.88 284.27,119.88 285,120.6 285,122 285.5,122.5 287.3,122.5 C150.1
LIM2: length 37.7
  Top w0.25: RM83.10 286.21,115.47 ; C149.1 286.2,115.52
  Bottom w0.25: ICG10-2.5 261.79,119.88 266.62,119.88 267.25,119.25 285.25,119.25 286.2,120.2 C149.1
LIM3: length 40.7
  Top w0.25: RM83.11 283.67,115.47 ; C148.1 283.6,115.54
  Bottom w0.25: C148.1 283.6,122.15 280.75,125 256.95,125 ICG10-2.12
LIM4: length 31
  Top w0.25: 281.2,121 281.2,115.6 ; v1(263.5,121.25) 263.2,120.95 ICG10-2.6 ; RM83.12 281.13,115.47
  Bottom w0.25: C147.1 279.68,119.88 268.62,119.88 267.25,121.25 v1(263.5,121.25)
LIW1: length 42.4
  Bottom w0.25: 30.92,97.62 28.82,99.72 19.89,99.72 16,103.61 16,120.2 15.25,120.95 7.87,120.95
LIW1out: length 92.7
  Top w0.25: v1(73.25,97.75) 73.61,98.11 73.61,103.27 69.42,107.46 69.42,120.16 64.98,124.61 64.98,132.35 65.7,133.08 v1(65.7,136.15)
  Bottom w0.25: 49.28,102.74 49.28,99.78 54.31,94.75 59.35,94.75 60,95.4 69.6,95.4 71,96.8 72.3,96.8 v1(73.25,97.75) ; v1(65.7,136.15) 65.25,136.6 48.8,136.6 47.3,138.1 ICH2.1
LIW2: length 37.6
  Bottom w0.25: 8.03,118.25 14.35,118.25 14.81,117.79 14.81,102.89 18.62,99.08 26.92,99.08 28.38,97.62
LIW2out: length 71.9
  Top w0.25: v1(65,138) 64.34,137.34 64.34,123.97 68.91,119.4 68.91,105.56 70.97,103.5 70.97,97.97 v1(70.75,97.75)
  Bottom w0.25: v1(70.75,97.75) 69,96 59.23,96 58.75,95.53 54.97,95.53 51.82,98.68 51.82,102.74 ; v1(65,138) 64.9,138.1 ICH2.7
